# Altium PCB FMC_DAC_125M_14B_16CHA.PcbDoc (part 6 of 9)
Units mm, origin at the board's own origin, x right, y up, seen from the top; angles counter-clockwise.
Board outline 77.15 x 69 mm, 8 copper layers (L1, P2, L3, P4, L5, P6, L7, L8), stack 1.438 mm thick; 612 components, 516 nets, 2304 pads, 1339 vias.
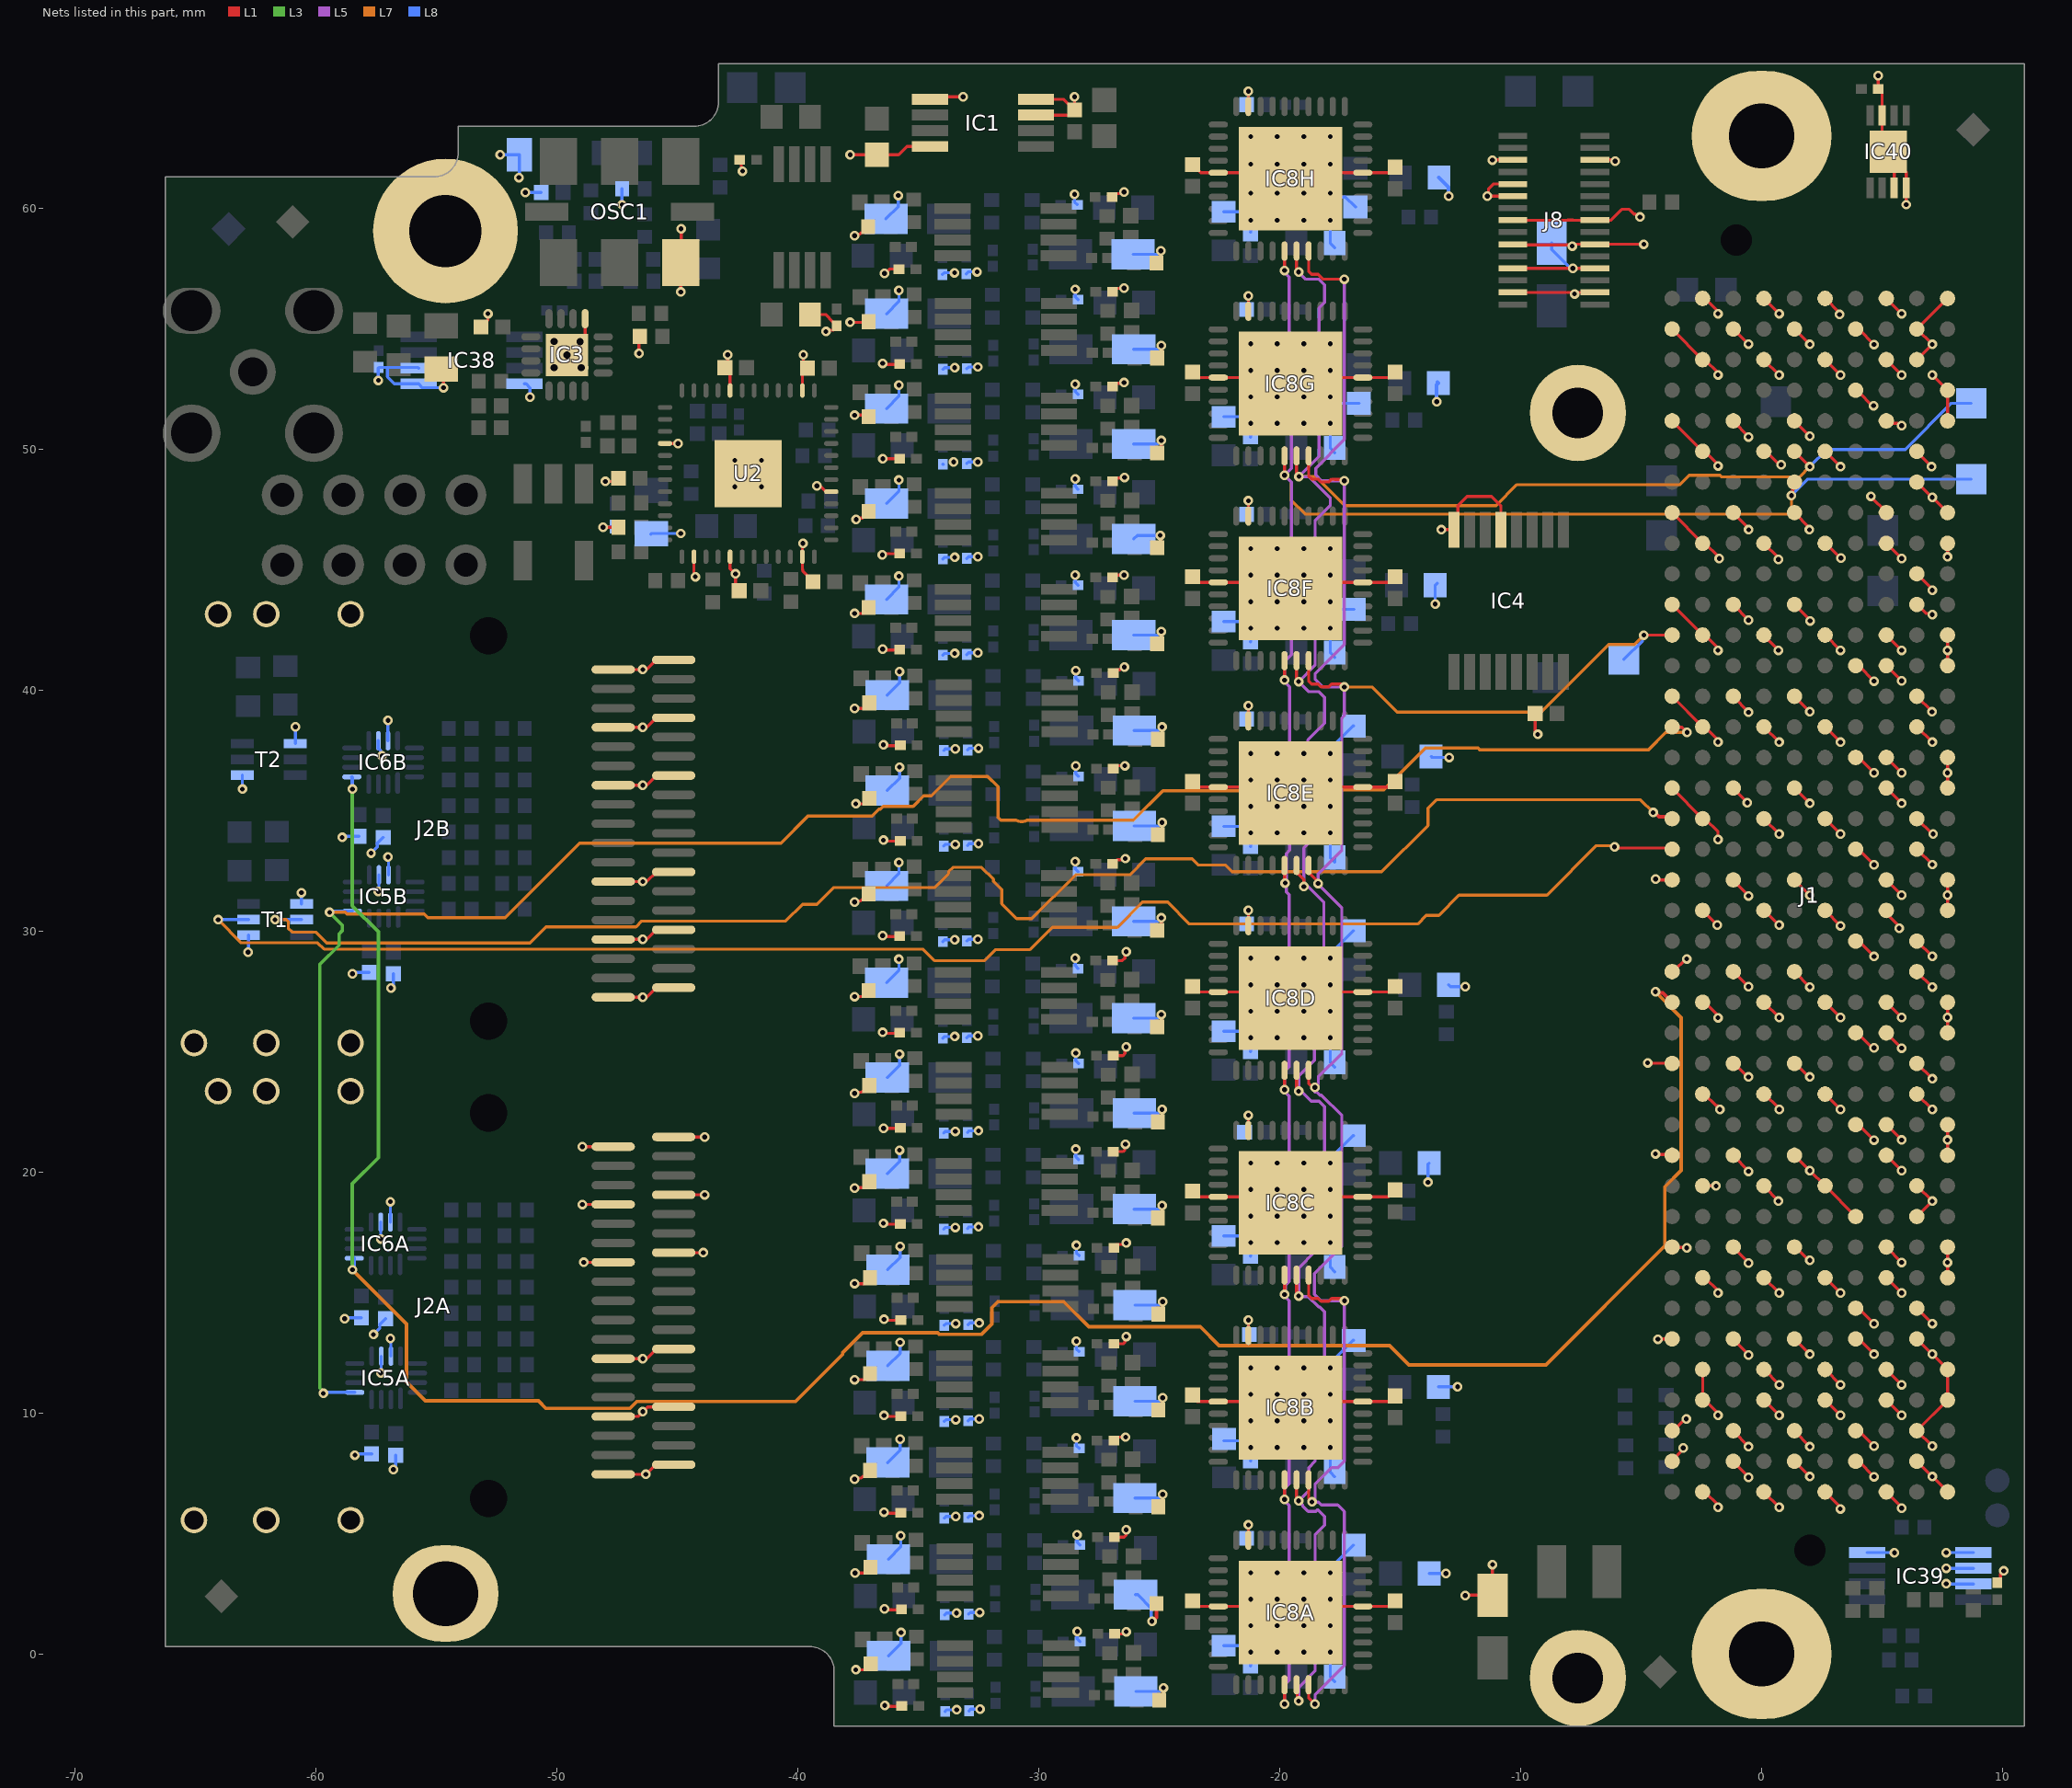
[diagram p12: the nets of this part, all layers, seen from the top]

## Via types
v1: diameter 0.4, hole 0.2, L1 to L8, tented both sides, 1114 vias
v2: diameter 0.5, hole 0.2, L1 to L8, tented both sides, 132 vias
v3: diameter 0.4, hole 0.2, L1 to L8, 61 vias
v4: diameter 0.6, hole 0.3, L1 to L8, tented both sides, 30 vias
v5: diameter 0.6, hole 0.3, L1 to L8, 2 vias

## Nets (pads, with @x,y where several pads share a name; then routed paths per layer and width w, separated by ;. In a path a pad name is that pad's centre, name@x,y a point inside that pad or via, vN(x,y) a via of type N, cw(c..) or ccw(c..) an arc to the next point about the centre after c; other vN are vias at no path point) (continued)
GND: B1.1 B2.1 B3.1 B4.1 C1A.2 C1B.2 C1C.2 C1D.2 C1E.2 C1F.2 C1G.2 C1H.2 C1I.2 C1J.2 C1K.2 C1L.2 C1M.2 C1N.2 C1O.2 C1P.2 C2A.2 C2B.2 C2C.2 C2D.2 C2E.2 C2F.2 C2G.2 C2H.2 C2I.2 C2J.2 C2K.2 C2L.2 C2M.2 C2N.2 C2O.2 C2P.2 C3A.2 C3B.2 C3C.2 C3D.2 C3E.2 C3F.2 C3G.2 C3H.2 C3I.2 C3J.2 C3K.2 C3L.2 C3M.2 C3N.2 C3O.2 C3P.2 C4A.2 C4B.2 C4C.2 C4D.2 C4E.2 C4F.2 C4G.2 C4H.2 C4I.2 C4J.2 C4K.2 C4L.2 C4M.2 C4N.2 C4O.2 C4P.2 C5A.2 C5B.2 C5C.2 C5D.2 C5E.2 C5F.2 C5G.2 C5H.2 C5I.2 C5J.2 C5K.2 C5L.2 C5M.2 C5N.2 C5O.2 C5P.2 C6A.1 C6B.1 C6C.1 C6D.1 C6E.1 C6F.1 C6G.1 C6H.1 C6I.1 C6J.1 C6K.1 C6L.1 C6M.1 C6N.1 C6O.1 C6P.1 C7A.2 C7B.2 C7C.2 C7D.2 C7E.2 C7F.2 C7G.2 C7H.2 C8A.2 C8B.2 C8C.2 C8D.2 C8E.2 C8F.2 C8G.2 C8H.2 C9A.2 C9B.2 C9C.2 C9D.2 C9E.2 C9F.2 C9G.2 C9H.2 C10A.1 C10B.1 C10C.1 C10D.1 C10E.1 C10F.1 C10G.1 C10H.1 C11A.2 C11B.2 C11C.2 C11D.2 C11E.2 C11F.2 C11G.2 C11H.2 C11I.2 C11J.2 C11K.2 C11L.2 C11M.2 C11N.2 C11O.2 C11P.2 C12A.2 C12B.2 C12C.2 C12D.2 C12E.2 C12F.2 C12G.2 C12H.2 C13.1 C14.1 C15.1 C16.1 C19.1 C20.1 C26.1 C28.1 C29.2 C30.1 C31.1 C32A.1 C32B.1 C33A.1 C33B.1 C34A.1 C34B.1 C35A.1 C35B.1 C36.1 C37.1 C38.1 C39.1 C42.2 C43A.1 C43B.1 C43C.1 C43D.1 C43E.1 C43F.1 C43G.1 C43H.1 C148.2 C149.2 C150.2 C275.2 IC1.3 IC1.4 IC1.5 IC1.8 IC3.1 IC3.17 IC4.5 IC4.8 IC5A.10 IC5A.11 IC5B.10 IC5B.11 IC6A.10 IC6A.11 IC6B.10 IC6B.11 IC8A.6 IC8A.19 IC8A.25 IC8A.41 IC8B.6 IC8B.19 IC8B.25 IC8B.41 IC8C.6 IC8C.19 IC8C.25 IC8C.41 IC8D.6 IC8D.19 IC8D.25 IC8D.41 IC8E.6 IC8E.19 IC8E.25 IC8E.41 IC8F.6 IC8F.19 IC8F.25 IC8F.41 IC8G.6 IC8G.19 IC8G.25 IC8G.41 IC8H.6 IC8H.19 IC8H.25 IC8H.41 IC38.4 IC38.5 IC38.6 IC39.4 IC39.5 IC39.6 IC39.7 IC40.3 IC40.4 IC40.7 IC40.9 J1.a1 J1.a4 J1.a5 J1.a8 J1.a9 J1.a12 J1.a13 J1.a16 J1.a17 J1.a20 J1.a21 J1.a24 J1.a25 J1.a28 J1.a29 J1.a32 J1.a33 J1.a36 J1.a37 J1.a40 J1.b2 J1.b3 J1.b6 J1.b7 J1.b10 J1.b11 J1.b14 J1.b15 J1.b18 J1.b19 J1.b22 J1.b23 J1.b26 J1.b27 J1.b30 J1.b31 J1.b34 J1.b35 J1.b38 J1.b39 J1.c1 J1.c4 J1.c5 J1.c8 J1.c9 J1.c12 J1.c13 J1.c16 J1.c17 J1.c20 J1.c21 J1.c24 J1.c25 J1.c28 J1.c29 J1.c32 J1.c33 J1.c36 J1.c38 J1.c40 J1.d2 J1.d3 J1.d6 J1.d7 J1.d10 J1.d13 J1.d16 J1.d19 J1.d22 J1.d25 J1.d28 J1.d37 J1.d39 J1.e1 J1.e4 J1.e5 J1.e8 J1.e11 J1.e14 J1.e17 J1.e20 J1.e23 J1.e26 J1.e29 J1.e32 J1.e35 J1.e38 J1.e40 J1.f2 J1.f3 J1.f6 J1.f9 J1.f12 J1.f15 J1.f18 J1.f21 J1.f24 J1.f27 J1.f30 J1.f33 J1.f36 J1.f39 J1.g1 J1.g4 J1.g5 J1.g8 J1.g11 J1.g14 J1.g17 J1.g20 J1.g23 J1.g26 J1.g29 J1.g32 J1.g35 J1.g38 J1.g40 J1.h2 J1.h3 J1.h6 J1.h9 J1.h12 J1.h15 J1.h18 J1.h21 J1.h24 J1.h27 J1.h30 J1.h33 J1.h36 J1.h39 J1.j1 J1.j4 J1.j5 J1.j8 J1.j11 J1.j14 J1.j17 J1.j20 J1.j23 J1.j26 J1.j29 J1.j32 J1.j35 J1.j38 J1.j40 J1.k2 J1.k3 J1.k6 J1.k9 J1.k12 J1.k15 J1.k18 J1.k21 J1.k24 J1.k27 J1.k30 J1.k33 J1.k36 J1.k39 J2A.A1 J2A.A4 J2A.A7 J2A.A12 J2A.A15 J2A.A18 J2A.B1 J2A.B4 J2A.B7 J2A.B12 J2A.B15 J2A.B18 J2A.SHELL1 J2A.SHELL2 J2A.SHELL3 J2A.SHELL4 J2A.SHELL5 J2A.SHELL6 J2B.A1 J2B.A4 J2B.A7 J2B.A12 J2B.A15 J2B.A18 J2B.B1 J2B.B4 J2B.B7 J2B.B12 J2B.B15 J2B.B18 J2B.SHELL1 J2B.SHELL2 J2B.SHELL3 J2B.SHELL4 J2B.SHELL5 J2B.SHELL6 J8.5 J8.6 J8.10 J8.12 J8.15 J8.16 J8.19 J8.20 J8.23 J8.24 J8.27 J8.28 MP1.1 MP2.1 OSC1.3 R3A.2 R3B.2 R3C.2 R3D.2 R3E.2 R3F.2 R3G.2 R3H.2 R4A.2 R4B.2 R4C.2 R4D.2 R4E.2 R4F.2 R4G.2 R4H.2 R16.1 R19.1 R24.1 R30.1 R34A.1 R34B.1 R34C.1 R34D.1 R34E.1 R34F.1 R34G.1 R34H.1 R34I.1 R34J.1 R34K.1 R34L.1 R34M.1 R34N.1 R34O.1 R34P.1 R37A.1 R37B.1 R37C.1 R37D.1 R37E.1 R37F.1 R37G.1 R37H.1 R37I.1 R37J.1 R37K.1 R37L.1 R37M.1 R37N.1 R37O.1 R37P.1 R51.1 T1.1 T1.4 T2.1 T2.4 U2.4 U2.14 U2.17 U2.23 U2.29 U2.38 U2.44 U2.49 | length 488.8
  L1 w0.127: C28.1@-54.808,53.321 -54.944,53.184 -54.711,52.951 v1(-54.711,52.55) ; C26.1@-53.15,55.072 -52.864,55.358 v1(-52.864,55.621) ; v4(-49.581,53.914) -48.831,54.664 IC3.1@-48.831,55.414 ; v1(-48.949,18.654) J2A.A15@-47.665,18.654 ; v1(-48.949,21.054) J2A.A18@-47.665,21.054 ; v1(-48.89,16.254) J2A.A12@-47.665,16.254 ; v1(-48.089,46.756) R19.1@-47.441,46.756 ; v1(-47.991,48.661) -47.574,48.661 C16.1@-47.447,48.788 ; J2A.A1@-47.665,7.454 v1(-46.316,7.454) -46.298,7.454 -45.898,7.854 J2A.B1@-45.155,7.854 ; J2A.A4@-47.665,9.854 -46.637,9.854 v1(-46.437,10.054) -46.237,10.254 J2A.B4@-45.155,10.254 ; J2A.A7@-47.665,12.254 v1(-46.437,12.254) -46.28,12.254 -45.88,12.654 J2A.B7@-45.155,12.654 ; J2B.A1@-47.665,27.254 v1(-46.436,27.254) -46.28,27.254 -45.88,27.654 J2B.B1@-45.155,27.654 ; J2B.A4@-47.665,29.654 v1(-46.436,29.654) -46.28,29.654 -45.88,30.054 J2B.B4@-45.155,30.054 ; J2B.A7@-47.665,32.054 v1(-46.436,32.054) -46.28,32.054 -45.88,32.454 J2B.B7@-45.155,32.454 ; J2B.A12@-47.665,36.054 v1(-46.436,36.054) -46.28,36.054 -45.88,36.454 J2B.B12@-45.155,36.454 ; J2B.A15@-47.665,38.454 v1(-46.436,38.454) -46.28,38.454 -45.88,38.854 J2B.B15@-45.155,38.854 ; J2B.A18@-47.665,40.854 v1(-46.436,40.854) -46.28,40.854 -45.88,41.254 J2B.B18@-45.155,41.254 ; v1(-46.592,53.972) -46.592,54.651 R30.1@-46.562,54.681 ; U2.4@-45.515,50.236 v1(-44.977,50.236) ; J2A.B12@-45.155,16.654 v1(-43.93,16.654) ; J2A.B15@-45.155,19.054 v1(-43.871,19.054) ; J2A.B18@-45.155,21.454 v1(-43.871,21.454) ; v1(-44.865,56.524) OSC1.3@-44.865,57.749 -44.847,57.767 v1(-44.847,59.147) ; U2.14@-44.315,45.536 -44.315,44.762 v1(-44.259,44.706) ; v1(-42.915,53.919) -42.915,53.512 -43.034,53.393 -42.815,53.173 U2.44@-42.815,52.436 ; U2.17@-42.815,45.536 -42.815,45.047 v1(-42.593,44.825) -42.593,44.279 C38.1@-42.436,44.122 ; C37.1@-42.415,62.004 -42.359,62.06 -42.348,62.05 -42.348,61.729 -42.299,61.68 v1(-42.299,61.54) ; U2.38@-39.815,52.436 -39.815,53.144 C14.1@-39.598,53.36 -39.774,53.536 v1(-39.774,53.916) ; v1(-39.789,46.095) -39.815,46.069 U2.23@-39.815,45.536 -39.815,45.003 -39.79,44.979 -39.79,44.922 C39.1@-39.37,44.501 ; R51.1@-39.491,55.588 -38.85,55.588 -38.54,55.278 -38.52,55.278 -38.384,55.141 -38.384,55.091 -38.539,54.936 -38.782,54.936 v1(-38.834,54.884) ; v1(-39.215,48.479) -39.163,48.427 -39.026,48.427 -38.834,48.236 U2.29@-38.615,48.236 ; v1(-37.83,55.263) -37.09,55.263 R34O.1@-37.062,55.291 ; v1(-37.83,62.222) C30.1@-36.725,62.222 -35.821,62.222 -35.477,62.567 IC1.8@-34.514,62.567 ; v1(-37.649,7.248) -37.597,7.3 -37.366,7.3 -37.298,7.368 -37.238,7.368 -37.012,7.595 R34C.1@-37.012,7.615 ; v1(-37.649,11.382) -37.238,11.382 -37.012,11.608 R34D.1@-37.012,11.628 ; v1(-37.649,15.369) -37.238,15.369 -37.012,15.596 R34E.1@-37.012,15.616 ; v1(-37.649,19.332) -37.624,19.357 -37.264,19.357 -37.037,19.584 R34F.1@-37.037,19.604 ; v1(-37.649,23.261) -37.597,23.313 -37.355,23.313 -37.324,23.345 -37.264,23.345 -37.037,23.571 R34G.1@-37.037,23.591 ; v1(-37.649,27.282) -37.289,27.282 -37.062,27.508 R34H.1@-37.062,27.528 ; v1(-37.649,31.202) -37.597,31.254 -37.39,31.254 -37.349,31.295 -37.289,31.295 -37.062,31.522 R34I.1@-37.062,31.542 ; v1(-37.649,39.243) -37.26,39.243 R34K.1@-37.037,39.466 ; v1(-37.649,43.182) -37.289,43.182 -37.062,43.409 R34L.1@-37.062,43.429 ; v1(-37.649,51.411) -37.12,51.411 R34N.1@-37.062,51.354 ; v1(-37.649,58.861) -37.597,58.913 -37.443,58.913 -37.375,58.981 -37.314,58.981 -37.088,59.208 R34P.1@-37.088,59.228 ; v1(-37.624,3.355) -37.213,3.355 -36.986,3.582 R34B.1@-36.986,3.602 ; v1(-37.597,-0.658) -37.203,-0.658 -36.976,-0.432 R34A.1@-36.976,-0.412 ; v1(-37.597,35.281) -37.26,35.281 R34J.1@-37.037,35.504 ; v1(-37.584,47.086) -37.531,47.139 -37.32,47.139 -37.062,47.397 R34M.1@-37.062,47.417 ; v3(-36.493,45.618) -36.448,45.664 -36.382,45.664 C5M.2@-35.774,45.664 ; v1(-36.478,25.798) -36.438,25.758 -35.791,25.758 C5H.2@-35.774,25.776 ; v1(-36.478,29.812) -36.438,29.772 -35.791,29.772 C5I.2@-35.774,29.789 ; v1(-36.478,41.699) -36.438,41.659 -35.791,41.659 C5L.2@-35.774,41.676 ; v1(-36.478,53.561) -36.438,53.521 -35.791,53.521 C5O.2@-35.774,53.538 ; v3(-36.475,49.601) C5N.2@-35.774,49.601 ; v1(-36.453,17.874) -36.413,17.834 -35.766,17.834 C5F.2@-35.749,17.851 ; v1(-36.453,33.774) -36.413,33.734 -35.766,33.734 C5J.2@-35.749,33.751 ; v1(-36.453,37.736) -36.413,37.696 -35.766,37.696 C5K.2@-35.749,37.714 ; v3(-36.445,21.818) -35.769,21.818 C5G.2@-35.749,21.839 ; v1(-36.427,5.885) -36.387,5.845 -35.741,5.845 C5C.2@-35.723,5.862 ; v1(-36.427,9.898) -36.387,9.858 -35.741,9.858 C5D.2@-35.723,9.876 ; v1(-36.427,13.886) -36.387,13.846 -35.741,13.846 C5E.2@-35.723,13.863 ; v3(-36.405,57.298) -36.382,57.298 -36.205,57.475 C5P.2@-35.799,57.475 ; v1(-36.402,1.872) -36.362,1.832 -35.715,1.832 C5B.2@-35.698,1.849 ; v1(-36.392,-2.142) -36.352,-2.182 -35.705,-2.182 C5A.2@-35.688,-2.164 ; IC1.5@-34.514,64.517 -34.409,64.621 v1(-33.138,64.621) ; IC1.3@-30.114,63.867 -28.725,63.867 C29.2@-28.515,64.076 ; IC1.4@-30.114,64.517 -28.956,64.517 C29.2@-28.515,64.076 ; v1(-28.515,64.621) C29.2@-28.515,64.076 ; C1P.2@-26.962,60.472 -26.825,60.609 -26.595,60.609 -26.584,60.62 -26.542,60.62 v1@-26.483,60.561 ; C1H.2@-26.936,28.773 -26.532,28.773 -26.424,28.881 -26.424,29.087 v1(-26.372,29.139) ; C1I.2@-26.936,32.786 -26.911,32.786 -26.741,32.957 -26.464,32.957 v1(-26.412,33.009) ; C1L.2@-26.936,44.673 -26.839,44.771 v1(-26.459,44.771) ; C1M.2@-26.936,48.661 -26.8,48.798 -26.47,48.798 v1(-26.439,48.829) ; C1N.2@-26.936,52.598 -26.8,52.735 -26.506,52.735 v1@-26.458,52.687 ; C1O.2@-26.936,56.535 -26.8,56.672 -26.506,56.672 v1@-26.458,56.624 ; C1F.2@-26.911,20.848 -26.507,20.848 -26.432,20.923 -26.432,20.937 ; C1G.2@-26.911,24.836 -26.507,24.836 -26.424,24.919 -26.424,25.139 v1(-26.372,25.192) ; C1J.2@-26.911,36.749 -26.797,36.862 v1(-26.429,36.862) ; C1K.2@-26.911,40.711 -26.774,40.847 -26.634,40.847 -26.522,40.96 v1(-26.448,40.96) ; C1C.2@-26.885,8.86 -26.749,8.996 -26.4,8.996 v1(-26.397,8.999) ; C1D.2@-26.885,12.873 -26.503,12.873 -26.428,12.948 -26.428,13.125 v1(-26.375,13.177) ; C1E.2@-26.885,16.861 -26.749,16.997 -26.51,16.997 -26.449,17.058 v1(-26.375,17.058) ; C1B.2@-26.86,4.846 -26.456,4.846 -26.382,4.921 -26.382,4.935 ; C1A.2@-26.85,0.833 -26.446,0.833 -26.372,0.907 v1(-26.372,0.921) ; R37P.1@-25.111,57.72 -24.938,57.894 v1(-24.938,58.233) ; R37H.1@-25.086,26.021 -24.912,26.195 v1(-24.912,26.534) ; R37I.1@-25.086,30.034 -24.912,30.208 v1(-24.912,30.547) ; R37L.1@-25.086,41.921 -24.912,42.095 v1(-24.912,42.434) ; R37M.1@-25.086,45.909 -24.912,46.083 -24.96,46.131 v1(-24.96,46.422) ; R37N.1@-25.086,49.846 -24.912,50.02 v1(-24.912,50.359) ; R37O.1@-25.086,53.783 -24.912,53.957 v1(-24.912,54.296) ; R37F.1@-25.061,18.096 -24.887,18.27 v1(-24.887,18.609) ; R37G.1@-25.061,22.084 -24.887,22.258 v1(-24.887,22.597) ; R37J.1@-25.061,33.997 -24.887,34.17 v1(-24.887,34.509) ; R37K.1@-25.061,37.959 -24.887,38.133 v1(-24.887,38.472) ; R37C.1@-25.035,6.108 -24.862,6.281 v1(-24.862,6.62) ; R37D.1@-25.035,10.121 -24.862,10.294 v1(-24.862,10.634) ; R37E.1@-25.035,14.109 -24.862,14.282 v1(-24.862,14.621) ; R37A.1@-25,-1.919 -24.826,-1.745 v1(-24.826,-1.406) ; C9A.2@-23.615,2.156 -23.432,1.972 -21.598,1.972 IC8A.41@-21.515,2.056 ; C9B.2@-23.615,10.656 -23.432,10.472 IC8B.25@-22.552,10.472 -21.598,10.472 IC8B.41@-21.515,10.556 ; C9C.2@-23.615,19.156 -23.432,18.972 IC8C.25@-22.552,18.972 -21.598,18.972 IC8C.41@-21.515,19.056 ; C9D.2@-23.615,27.656 -23.432,27.472 IC8D.25@-22.552,27.472 -21.598,27.472 IC8D.41@-21.515,27.556 ; C9E.2@-23.615,36.156 -23.432,35.972 IC8E.25@-22.552,35.972 -21.598,35.972 IC8E.41@-21.515,36.056 ; C9F.2@-23.615,44.656 -23.432,44.472 IC8F.25@-22.552,44.472 -21.598,44.472 IC8F.41@-21.515,44.556 ; C9G.2@-23.615,53.156 -23.432,52.972 IC8G.25@-22.552,52.972 -21.598,52.972 IC8G.41@-21.515,53.056 ; C9H.2@-23.46,61.656 -23.276,61.472 IC8H.25@-22.552,61.472 -21.598,61.472 IC8H.41@-21.515,61.556 ; IC8A.19@-21.302,4.722 v1(-21.302,5.358) ; IC8B.19@-21.302,13.222 v1(-21.302,13.858) ; IC8C.19@-21.302,21.722 v1(-21.302,22.358) ; IC8D.19@-21.302,30.222 v1(-21.302,30.858) ; IC8E.19@-21.302,38.722 v1(-21.302,39.358) ; IC8F.19@-21.302,47.222 v1(-21.302,47.858) ; IC8G.19@-21.302,55.722 v1(-21.302,56.358) ; IC8H.19@-21.302,64.222 v1(-21.302,64.849) ; IC8A.41@-19.552,1.722 -19.302,1.972 -15.462,1.972 -15.215,2.219 C7A.2@-15.215,2.256 ; IC8B.41@-19.552,10.222 -19.302,10.472 IC8B.6@-16.552,10.472 -15.462,10.472 -15.215,10.719 C7B.2@-15.215,10.756 ; IC8C.41@-19.552,18.722 -19.302,18.972 IC8C.6@-16.552,18.972 -15.491,18.972 -15.215,19.248 C7C.2@-15.215,19.256 ; IC8D.41@-19.552,27.222 -19.302,27.472 IC8D.6@-16.552,27.472 -15.462,27.472 -15.215,27.719 C7D.2@-15.215,27.756 ; IC8E.41@-19.552,35.722 -19.302,35.972 -15.462,35.972 -15.215,36.219 C7E.2@-15.215,36.256 ; IC8F.41@-19.552,44.222 -19.302,44.472 IC8F.6@-16.552,44.472 -16.549,44.475 -15.458,44.475 C7F.2@-15.215,44.719 ; IC8G.41@-19.552,52.722 -19.302,52.972 IC8G.6@-16.552,52.972 -15.462,52.972 -15.215,53.219 C7G.2@-15.215,53.256 ; IC8H.41@-19.552,61.222 -19.302,61.472 IC8H.6@-16.552,61.472 -15.462,61.472 -15.215,61.719 C7H.2@-15.215,61.756 ; v1(-13.297,46.658) IC4.8@-12.772,46.658 -12.61,46.82 -12.61,47.659 -12.233,48.036 -11.203,48.036 -10.822,47.655 IC4.5@-10.822,46.658 ; v1(-12.301,2.419) -12.283,2.437 C42.2@-11.168,2.437 v1(-11.168,3.708) ; v1(-11.175,61.998) -11.169,62.004 J8.6@-10.325,62.004 ; J8.28@-10.325,56.504 -7.824,56.504 v1(-7.763,56.443) ; J8.24@-10.325,57.504 v1(-7.834,57.504) J8.23@-6.925,57.504 ; J8.20@-10.325,58.504 -10.294,58.474 -7.905,58.474 v1(-7.859,58.427) ; J8.16@-10.325,59.504 -10.317,59.496 -6.263,59.496 -5.804,59.956 -5.495,59.956 -5.294,59.755 -5.24,59.755 -5.119,59.634 v1(-5.045,59.634) ; J8.12@-10.325,60.504 v1(-11.386,60.504) -11.334,60.557 -11.334,60.804 -11.134,61.004 J8.10@-10.325,61.004 ; C31.1@-9.397,39.035 -9.397,38.267 v1(-9.294,38.164) ; -8.041,59.504 -7.834,59.504 ; v1@-7.842,58.504 J8.19@-6.925,58.504 v1(-4.89,58.504) ; v1@-7.763,56.504 J8.27@-6.925,56.504 ; J8.5@-6.925,62.004 -6.124,62.004 v1(-6.075,61.956) ; v1(-4.731,24.531) -4.719,24.518 -3.752,24.518 -3.74,24.531 J1.k15@-3.715,24.506 ; v1(-4.408,20.753) -4.379,20.724 -3.801,20.724 -3.772,20.753 J1.k12@-3.715,20.696 ; v1(-4.397,32.158) -4.365,32.126 J1.k21@-3.715,32.126 ; v1(-4.299,13.06) -4.291,13.068 -3.739,13.068 -3.731,13.06 J1.k6@-3.715,13.076 ; J1.k2@-3.715,7.996 -3.658,7.996 -3.658,8.097 -3.255,8.501 v1(-3.255,8.546) ; J1.k3@-3.715,9.266 -3.615,9.266 -3.615,9.316 -3.175,9.756 v1(-3.125,9.756) ; J1.k9@-3.715,16.886 -3.679,16.849 -3.661,16.868 -3.125,16.868 v1(-3.107,16.849) ; J1.k18@-3.715,28.316 -3.636,28.316 -3.636,28.355 -3.146,28.845 v1(-3.107,28.845) ; J1.k24@-3.715,35.936 J1.j23@-2.445,34.666 -2.357,34.666 -1.81,34.119 v1(-1.81,33.801) ; J1.k27@-3.715,39.746 J1.j26@-2.445,38.476 -2.357,38.476 -1.81,37.929 v1(-1.81,37.846) ; J1.k30@-3.715,43.556 J1.j29@-2.445,42.286 -2.357,42.286 -1.81,41.739 v1(-1.81,41.651) ; J1.k33@-3.715,47.366 J1.j32@-2.445,46.096 -2.357,46.096 -1.81,45.549 -1.81,45.512 v1(-1.759,45.461) ; J1.k36@-3.715,51.176 J1.j35@-2.445,49.906 -2.357,49.906 -1.81,49.359 v1(-1.81,49.307) ; J1.k39@-3.715,54.986 J1.j38@-2.445,53.716 ; J1.j1@-2.445,6.726 -2.357,6.726 -1.81,6.179 v1(-1.81,6.091) ; J1.j4@-2.445,10.536 J1.j5@-2.445,11.806 ; J1.j8@-2.445,15.616 -2.357,15.616 -1.81,15.069 v1(-1.81,14.981) ; J1.j11@-2.445,19.426 -2.442,19.423 -2.441,19.424 -1.895,19.424 v1(-1.893,19.423) ; J1.j14@-2.445,23.236 -2.371,23.236 -1.884,22.748 v1@-1.81,22.748 ; J1.j17@-2.445,27.046 -2.357,27.046 -1.81,26.499 v1(-1.81,26.401) ; J1.j20@-2.445,30.856 v1(-1.843,30.253) ; J1.j40@-2.445,56.256 -2.357,56.256 -1.81,55.709 v1(-1.81,55.621) ; J1.j4@-2.357,10.536 -1.81,9.989 v1(-1.81,9.901) ; J1.j38@-2.357,53.716 -1.81,53.169 v1(-1.81,53.086) ; J1.h2@-1.175,7.996 -1.175,7.98 -0.54,7.345 v1(-0.54,7.329) ; J1.h3@-1.175,9.266 -1.175,9.25 -0.54,8.615 v1(-0.54,8.599) ; J1.h6@-1.175,13.076 -1.175,13.06 -0.54,12.425 v1(-0.54,12.409) ; J1.h9@-1.175,16.886 -1.175,16.87 -0.54,16.235 v1(-0.54,16.219) ; J1.h12@-1.175,20.696 -1.175,20.68 -0.54,20.045 v1(-0.54,20.029) ; J1.h15@-1.175,24.506 -1.137,24.506 -0.578,23.946 v1(-0.54,23.946) ; J1.h18@-1.175,28.316 -1.17,28.316 -0.545,27.69 v1(-0.54,27.69) ; J1.h21@-1.175,32.126 -1.175,32.11 -0.54,31.475 v1(-0.54,31.459) ; J1.h24@-1.175,35.936 -1.175,35.92 -0.596,35.341 v1(-0.596,35.325) ; J1.h27@-1.175,39.746 -1.175,39.73 -0.54,39.095 v1(-0.54,39.079) ; J1.h30@-1.175,43.556 -1.175,43.548 -0.54,42.913 v1(-0.54,42.905) ; J1.h33@-1.175,47.366 -1.175,47.35 -0.54,46.715 -0.54,46.664 v1(-0.535,46.659) ; J1.h36@-1.175,51.176 -1.175,51.16 -0.54,50.525 v1(-0.54,50.509) ; J1.h39@-1.175,54.986 -1.168,54.986 -0.547,54.364 v1(-0.54,54.364) ; J1.g1@0.095,6.726 v1(0.73,6.091) ; J1.g4@0.095,10.536 0.097,10.536 0.728,9.905 v1(0.73,9.905) ; J1.g5@0.095,11.806 0.098,11.806 0.733,11.171 v1(0.736,11.171) ; J1.g8@0.095,15.616 v1(0.73,14.981) ; J1.g11@0.095,19.426 0.095,19.403 0.1,19.403 0.694,18.809 v1(0.694,18.791) ; J1.g14@0.095,23.236 0.133,23.236 0.694,22.674 v1@0.732,22.674 ; J1.g17@0.095,27.046 v1(0.73,26.411) ; J1.g20@0.095,30.856 0.111,30.856 0.714,30.253 v1(0.73,30.253) ; J1.g23@0.095,34.666 v1(0.73,34.031) ; J1.g26@0.095,38.476 v1(0.73,37.841) ; J1.g29@0.095,42.286 0.095,42.271 0.7,41.666 v1(0.7,41.651) ; J1.g32@0.095,46.096 0.694,45.497 v1(0.694,45.424) ; J1.g35@0.095,49.906 0.183,49.906 0.737,49.352 v1(0.811,49.352) ; J1.g38@0.095,53.716 v1(0.73,53.081) ; J1.g40@0.095,56.256 v1(0.73,55.621) ; J1.f2@1.365,7.996 v1(2,7.361) ; J1.f3@1.365,9.266 1.365,9.251 2,8.616 v1(2,8.602) ; J1.f6@1.365,13.076 2,12.441 v1(2.003,12.438) ; J1.f9@1.365,16.886 1.453,16.886 1.453,16.842 1.956,16.339 v1(2,16.339) ; J1.f12@1.365,20.696 v1(2,20.061) J1.e11@2.635,19.426 J1.d10@3.905,18.156 ; J1.f15@1.365,24.506 1.403,24.506 1.962,23.946 v1(2,23.946) ; J1.f18@1.365,28.316 v1(2,27.681) ; J1.f21@1.365,32.126 v1(2,31.491) ; J1.f24@1.365,35.936 v1(2,35.301) ; J1.f27@1.365,39.746 v1(2,39.111) ; J1.f30@1.365,43.556 2,42.921 2,42.892 v1(2.017,42.875) ; J1.f33@1.365,47.366 1.984,46.747 v1(1.984,46.659) ; J1.f36@1.365,51.176 v1(2,50.541) ; J1.f39@1.365,54.986 v1(2,54.351) ; J1.e1@2.635,6.726 3.265,6.096 v1(3.265,6.02) ; J1.e4@2.635,10.536 v1(3.27,9.901) ; J1.e5@2.635,11.806 v1(3.27,11.171) ; J1.e8@2.635,15.616 v1(3.27,14.981) ; J1.e14@2.635,23.236 v1(3.27,22.601) ; J1.e17@2.635,27.046 v1(3.27,26.411) ; J1.e20@2.635,30.856 v1(3.27,30.221) ; J1.e23@2.635,34.666 v1(3.27,34.031) ; J1.e26@2.635,38.476 v1(3.27,37.841) ; J1.e29@2.635,42.286 v1(3.27,41.651) ; J1.e32@2.635,46.096 2.655,46.096 3.27,45.481 v1(3.29,45.481) ; J1.e35@2.635,49.906 v1(3.27,49.271) ; J1.e38@2.635,53.716 v1(3.27,53.081) ; J1.e40@2.635,56.256 3.238,55.653 v1(3.238,55.589) ; J1.d2@4.033,7.987 v1@4.665,7.355 ; J1.d3@4.033,9.257 v1@4.665,8.625 ; J1.d6@4.033,13.067 v1@4.665,12.435 ; J1.d7@4.033,14.337 v1@4.665,13.705 ; J1.d13@4.033,21.957 v1@4.665,21.325 ; J1.d16@4.033,25.767 4.033,25.717 4.599,25.15 v1(4.668,25.15) ; J1.d19@4.033,29.577 v1@4.665,28.945 ; J1.d22@4.033,33.387 v1@4.665,32.755 ; J1.d25@4.033,37.197 v1@4.665,36.565 ; J1.d28@4.033,41.007 v1@4.665,40.375 ; J1.d37@4.033,52.437 4.033,52.368 4.596,51.805 v1(4.647,51.805) ; J1.d39@4.033,54.977 v1@4.665,54.345 ; v1(4.539,48.045) 4.539,48.023 5.175,47.387 J1.c33@5.175,47.366 ; v1(4.839,65.501) C148.2@4.839,64.951 4.864,64.951 5.001,64.814 IC40.7@5.001,63.848 5.001,62.598 IC40.9@5.251,62.348 5.251,62.248 IC40.9@5.501,61.998 ; J1.c1@5.175,6.726 5.18,6.726 5.18,6.723 5.813,6.091 5.813,6.049 v1(5.815,6.046) ; J1.c4@5.175,10.536 5.18,10.536 5.18,10.533 5.813,9.901 v1(5.815,9.901) ; J1.c5@5.175,11.806 5.18,11.806 5.18,11.803 5.813,11.171 v1(5.815,11.171) ; J1.c8@5.175,15.616 5.18,15.616 5.18,15.613 5.813,14.981 v1(5.815,14.981) ; J1.c9@5.175,16.886 5.18,16.886 5.18,16.883 5.813,16.251 v1(5.815,16.251) ; J1.c12@5.175,20.696 5.18,20.696 5.18,20.693 5.813,20.061 v1(5.815,20.061) ; J1.c13@5.175,21.966 5.18,21.966 5.18,21.963 5.813,21.331 v1(5.815,21.331) ; J1.c16@5.175,25.776 5.18,25.776 5.18,25.773 5.813,25.141 v1(5.815,25.141) ; J1.c17@5.175,27.046 5.18,27.046 5.18,27.043 5.813,26.411 v1(5.815,26.411) ; J1.c20@5.175,30.856 5.175,30.722 5.709,30.188 v1(5.709,30.114) ; J1.c21@5.175,32.126 5.18,32.126 5.18,32.123 5.813,31.491 v1(5.815,31.491) ; J1.c24@5.175,35.936 5.18,35.936 5.18,35.933 5.813,35.301 v1(5.815,35.301) ; J1.c25@5.175,37.206 5.18,37.206 5.18,37.203 5.813,36.571 v1(5.815,36.571) ; J1.c28@5.175,41.016 5.18,41.016 5.18,41.013 5.813,40.381 v1(5.815,40.381) ; J1.c29@5.175,42.286 5.18,42.286 5.18,42.283 5.813,41.651 v1(5.815,41.651) ; J1.c32@5.175,46.096 5.178,46.096 5.808,45.465 v1(5.81,45.465) ; J1.c36@5.175,51.176 5.273,51.078 5.641,51.078 5.741,50.977 v1(5.815,50.977) ; J1.c38@5.175,53.716 5.18,53.716 5.18,53.713 5.813,53.081 v1(5.815,53.081) ; J1.c40@5.175,56.256 5.18,56.256 5.18,56.253 5.813,55.621 v1(5.815,55.621) ; IC40.3@5.501,60.848 IC40.9@5.501,61.998 ; v1(6.001,60.148) IC40.4@6.001,60.848 6.001,61.498 IC40.9@5.501,61.998 ; J1.b2@6.445,7.996 6.45,7.996 6.45,7.993 7.715,6.728 J1.a1@7.715,6.726 ; J1.b6@6.445,13.076 6.45,13.076 6.45,13.073 7.715,11.808 J1.a5@7.715,11.806 J1.a4@7.715,10.536 J1.b3@6.445,9.266 6.45,9.266 6.45,9.263 7.083,8.631 v1(7.085,8.631) ; J1.b7@6.445,14.346 6.45,14.346 6.45,14.343 7.083,13.711 v1(7.085,13.711) ; J1.b10@6.445,18.156 6.448,18.156 v1@7.083,18.791 ; J1.b11@6.445,19.426 6.45,19.426 6.45,19.423 v1@7.083,18.791 ; J1.b14@6.445,23.236 6.45,23.236 6.45,23.233 7.083,22.601 v1(7.085,22.601) ; J1.b15@6.445,24.506 6.45,24.506 6.45,24.503 7.083,23.871 v1(7.085,23.871) ; J1.b18@6.445,28.316 6.45,28.316 6.45,28.313 7.083,27.681 v1(7.085,27.681) ; J1.b19@6.445,29.586 6.45,29.586 6.45,29.583 7.083,28.951 v1(7.085,28.951) ; J1.b22@6.445,33.396 6.45,33.396 6.45,33.393 7.083,32.761 v1(7.085,32.761) ; J1.b23@6.445,34.666 6.45,34.666 6.45,34.663 7.083,34.031 v1(7.119,34.031) ; J1.b26@6.445,38.476 6.45,38.476 6.45,38.473 7.083,37.841 v1(7.085,37.841) ; J1.b27@6.445,39.746 6.45,39.746 6.45,39.743 7.072,39.121 v1(7.072,39.098) ; J1.b30@6.445,43.556 6.818,43.183 7.033,43.183 v1(7.085,43.131) ; J1.b31@6.445,44.826 6.45,44.826 6.45,44.823 7.083,44.191 7.083,44.146 v1(7.085,44.143) ; J1.b34@6.445,48.636 6.45,48.636 6.45,48.633 7.715,47.368 J1.a33@7.715,47.366 ; J1.b35@6.445,49.906 6.445,49.891 7.051,49.285 v1(7.051,49.271) ; J1.b38@6.445,53.716 J1.b38@6.448,53.716 ; J1.b38@6.45,53.713 6.45,53.716 J1.b38@6.448,53.716 ; v1(7.083,53.081) 7.085,53.081 7.715,52.451 J1.a37@7.715,52.446 J1.a36@7.715,51.176 ; v1(7.085,18.791) v1@7.083,18.791 ; J1.a8@7.715,15.616 v1(7.715,16.251) J1.a9@7.715,16.886 ; J1.a12@7.715,20.696 v1(7.715,21.331) J1.a13@7.715,21.966 ; J1.a16@7.715,25.776 v1(7.715,26.411) J1.a17@7.715,27.046 ; J1.a20@7.715,30.856 v1(7.715,31.491) J1.a21@7.715,32.126 ; J1.a24@7.715,35.936 v1(7.715,36.571) J1.a25@7.715,37.206 ; J1.a28@7.715,41.016 v1(7.715,41.651) J1.a29@7.715,42.286 ; v1(7.715,45.532) J1.a32@7.715,46.096 ; J1.a40@7.715,56.256 J1.b39@6.445,54.986 6.45,54.986 6.45,54.983 v1(7.083,54.351) J1.b38@6.448,53.716 ; C150.2@9.785,2.956 9.922,3.092 9.922,3.319 v1(10.052,3.449)